# KiCad board IMXDesign.kicad_pcb (continued)
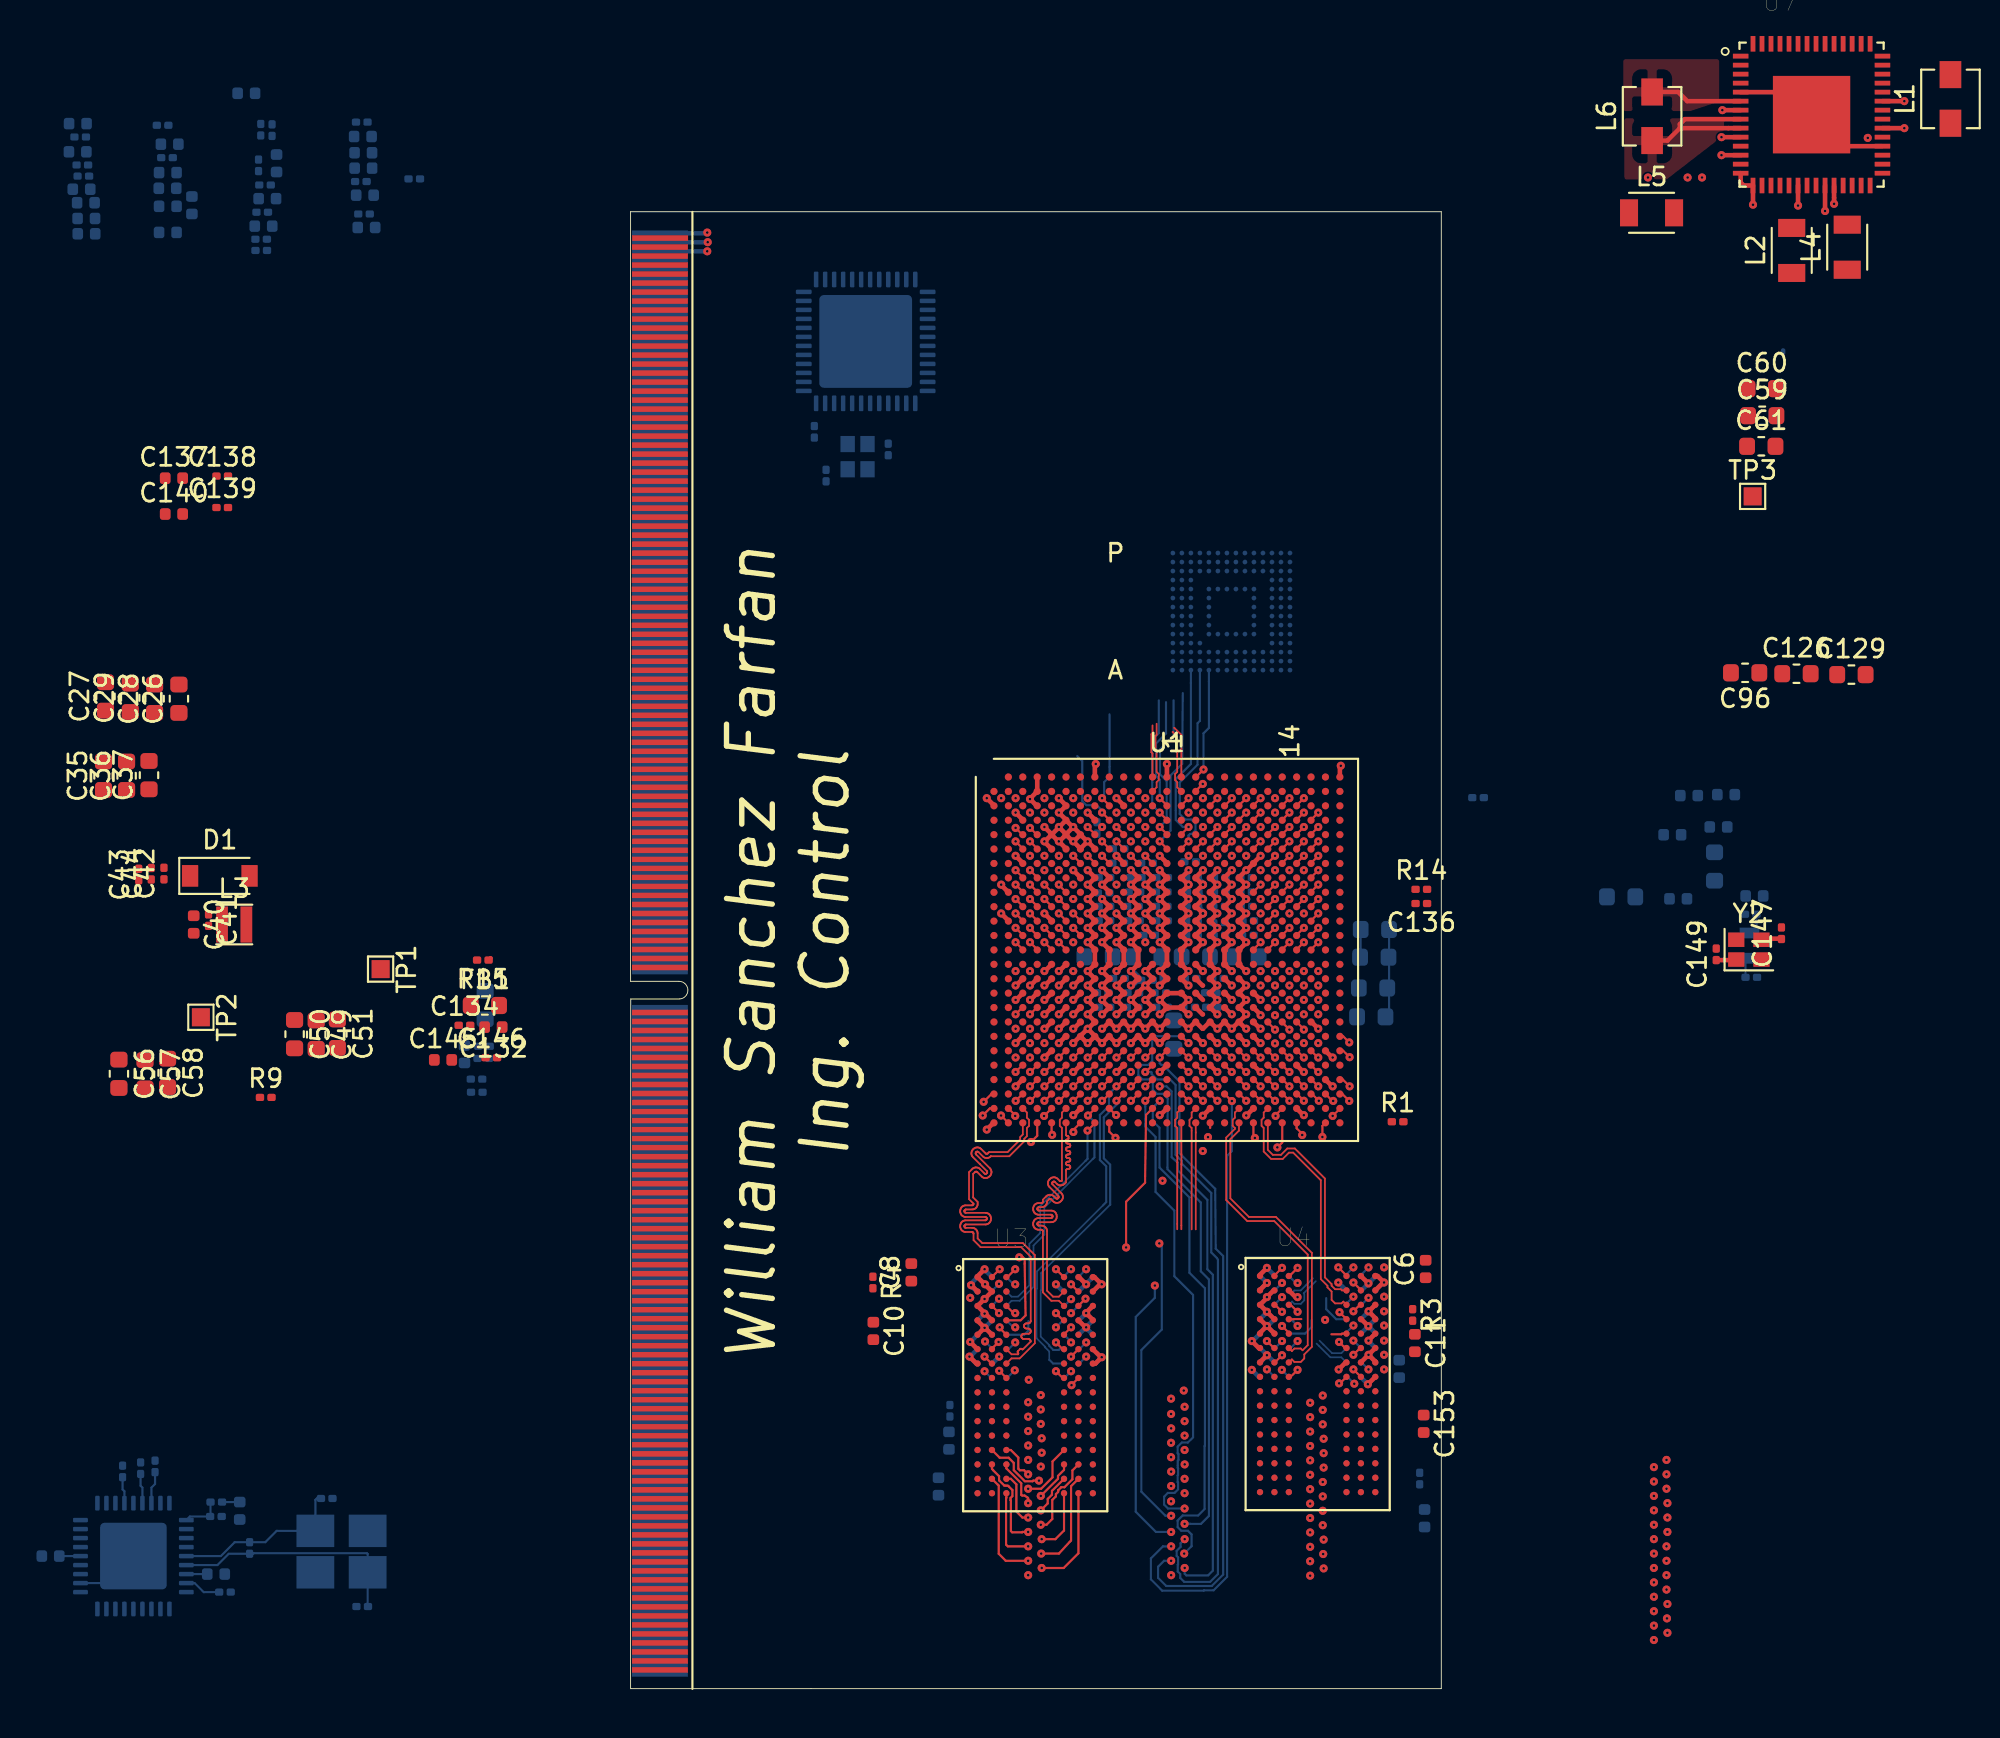
[diagram p0: board, top side]
## Routing (per net, layer and track width the routed paths; a pad name or vN(x,y) marks a point on that pad's centre or on a via; arc(x,y) is an arc through that point) (continued)
  In1.Cu w0.119: 34.96,30.96 34.71,30.96 ; v1(34.97,32.64) 34.97,32.32
/DDR3_Memory/CPU_DDR3/DRAM_D40: length 22.9
  Top w0.119: 39.72,20.51 U4.D7 39.74,20.51 v1(39.35,20.9) ; v1(34.97,35.04) 34.94,35.04 U1.Y19
  In2.Cu w0.114: v1(39.35,20.9) 38.12,20.9 37.55,21.47 37.55,23.4 37.21,23.75 36.74,23.75 36.54,23.55 36.54,23.18 36.34,22.98 35.97,22.98 35.7,23.25 35.7,24.02 35.55,24.18 35.55,26.82 34.86,27.51 34.84,27.53 34.82,27.54 34.8,27.54 34.77,27.54 34.75,27.54 34.73,27.53 34.69,27.5 34.67,27.49 34.64,27.48 34.62,27.48 34.59,27.49 34.57,27.5 34.55,27.51 34.42,27.64 34.41,27.66 34.4,27.68 34.39,27.71 34.39,27.73 34.4,27.75 34.41,27.78 34.44,27.81 34.45,27.84 34.46,27.86 34.46,27.88 34.45,27.91 34.44,27.93 34.42,27.95 34.42,29.12 34.25,29.3 34.25,30.82 35.69,32.26 35.95,32.26 36.15,32.46 36.15,35.22 35.95,35.42 35.59,35.42 35.2,35.04 v1(34.97,35.04)
/DDR3_Memory/CPU_DDR3/DRAM_D41: length 23.6
  Top w0.119: U4.A3 36.57,22.91 v1(37.02,23.36) ; U1.AB20 35.75,33.44 v1(35.77,33.44)
  In2.Cu w0.114: 36.96,23.36 v1(37.02,23.36) 36.8,23.14 36.8,22.85 36.54,22.59 36.54,22.34 36.34,22.14 35.97,22.14 35.7,22.42 35.7,22.71 35.43,22.98 35.14,22.98 34.85,23.27 34.85,23.68 35.12,23.95 35.13,23.97 35.13,23.99 35.15,24.01 35.16,24.03 35.18,24.04 35.2,24.05 35.25,24.05 35.27,24.06 35.29,24.07 35.3,24.09 35.31,24.11 35.32,24.13 35.32,24.15 35.32,24.18 35.32,24.2 35.31,24.22 35.3,24.24 35.29,24.26 35.27,24.27 35.25,24.28 35.22,24.28 35.12,24.28 34.94,24.28 34.92,24.28 34.89,24.29 34.87,24.3 34.85,24.32 34.84,24.34 34.83,24.37 34.83,24.39 34.83,24.42 34.84,24.44 34.85,24.46 34.87,24.48 34.89,24.5 34.92,24.5 34.94,24.51 35.22,24.51 35.25,24.51 35.27,24.52 35.29,24.53 35.3,24.54 35.31,24.56 35.32,24.58 35.32,24.61 35.32,24.64 35.32,24.66 35.31,24.68 35.3,24.7 35.29,24.71 35.27,24.73 35.25,24.73 35.22,24.74 34.94,24.74 34.92,24.74 34.89,24.75 34.87,24.76 34.85,24.78 34.84,24.8 34.83,24.82 34.83,24.85 34.83,24.88 34.84,24.9 34.85,24.92 34.87,24.94 34.89,24.95 34.92,24.96 34.94,24.96 35.22,24.96 35.25,24.97 35.27,24.97 35.29,24.99 35.3,25 35.31,25.02 35.32,25.04 35.32,25.06 35.32,25.09 35.32,25.12 35.31,25.14 35.3,25.16 35.29,25.17 35.27,25.18 35.25,25.19 35.22,25.19 34.94,25.19 34.92,25.2 34.89,25.2 34.87,25.22 34.85,25.24 34.84,25.26 34.83,25.28 34.83,25.31 34.83,25.33 34.84,25.36 34.85,25.38 34.87,25.4 34.89,25.41 34.92,25.42 34.94,25.42 35.22,25.42 35.25,25.42 35.27,25.43 35.29,25.44 35.3,25.46 35.31,25.48 35.32,25.5 35.32,25.52 35.32,25.55 35.32,25.57 35.31,25.59 35.3,25.61 35.29,25.63 35.27,25.64 35.25,25.65 35.22,25.65 34.94,25.65 34.92,25.65 34.89,25.66 34.87,25.68 34.85,25.69 34.84,25.71 34.83,25.74 34.83,25.76 34.83,25.79 34.84,25.81 34.85,25.84 34.87,25.85 34.89,25.87 34.92,25.88 34.94,25.88 35.22,25.88 35.25,25.88 35.27,25.89 35.29,25.9 35.3,25.92 35.31,25.94 35.32,25.96 35.32,25.98 35.32,26.01 35.32,26.03 35.31,26.05 35.3,26.07 35.29,26.09 35.27,26.1 35.25,26.1 35.2,26.11 35.18,26.12 35.16,26.13 35.15,26.14 35.13,26.16 35.13,26.18 35.12,26.21 35.12,26.55 35.09,26.59 35.07,26.61 35.06,26.63 35.06,26.65 35.06,26.68 35.06,26.7 35.07,26.73 35.09,26.75 35.1,26.76 35.12,26.78 35.13,26.8 35.14,26.83 35.14,26.85 35.13,26.88 35.12,26.9 35.1,26.92 35.08,26.94 35.06,26.95 35.04,26.96 35.01,26.96 34.99,26.95 34.96,26.94 34.94,26.92 34.72,26.7 34.7,26.68 34.67,26.67 34.65,26.66 34.62,26.66 34.6,26.67 34.58,26.68 34.56,26.7 34.54,26.72 34.53,26.74 34.52,26.77 34.52,26.79 34.53,26.82 34.54,26.84 34.56,26.86 34.76,27.06 34.77,27.08 34.78,27.1 34.78,27.12 34.78,27.14 34.78,27.16 34.77,27.18 34.76,27.2 34.73,27.22 34.72,27.24 34.7,27.24 34.68,27.25 34.65,27.25 34.63,27.24 34.61,27.24 34.59,27.22 34.39,27.02 34.37,27 34.35,26.99 34.33,26.99 34.3,26.99 34.27,26.99 34.25,27 34.23,27.02 34.22,27.04 34.2,27.06 34.2,27.09 34.2,27.11 34.2,27.14 34.22,27.16 34.23,27.18 34.28,27.23 34.3,27.25 34.31,27.28 34.31,27.3 34.31,27.33 34.31,27.35 34.3,27.37 34.28,27.39 34.17,27.51 34.17,27.76 34.16,27.78 34.16,27.81 34.14,27.83 34.12,27.85 34.1,27.86 34.08,27.87 34.05,27.87 33.83,27.87 33.81,27.87 33.78,27.88 33.76,27.9 33.74,27.91 33.73,27.94 33.72,27.96 33.72,27.99 33.72,28.01 33.73,28.04 33.74,28.06 33.76,28.08 33.78,28.09 33.81,28.1 33.83,28.1 34.05,28.1 34.08,28.1 34.1,28.11 34.12,28.13 34.14,28.14 34.16,28.17 34.16,28.19 34.17,28.21 34.16,28.24 34.16,28.26 34.14,28.29 34.12,28.3 34.1,28.32 34.08,28.33 34.05,28.33 33.83,28.33 33.81,28.33 33.78,28.34 33.76,28.35 33.74,28.37 33.73,28.39 33.72,28.42 33.72,28.44 33.72,28.47 33.73,28.49 33.74,28.51 33.76,28.53 33.78,28.55 33.81,28.55 33.83,28.56 34.05,28.56 34.08,28.56 34.1,28.57 34.12,28.58 34.14,28.6 34.16,28.62 34.16,28.65 34.17,28.67 34.17,29.01 33.97,29.2 33.97,29.23 33.96,29.25 33.95,29.27 33.93,29.29 33.91,29.3 33.89,29.31 33.86,29.31 33.84,29.31 33.82,29.32 33.79,29.33 33.77,29.34 33.75,29.36 33.74,29.38 33.73,29.4 33.73,29.43 33.73,29.45 33.74,29.48 33.75,29.5 33.77,29.52 33.79,29.53 33.82,29.54 33.84,29.54 33.86,29.54 33.89,29.55 33.91,29.55 33.93,29.57 33.95,29.59 33.96,29.61 33.97,29.63 33.97,29.66 33.97,29.68 33.96,29.71 33.95,29.73 33.93,29.75 33.91,29.76 33.89,29.77 33.86,29.77 33.84,29.77 33.82,29.77 33.79,29.78 33.77,29.8 33.75,29.81 33.74,29.84 33.73,29.86 33.73,29.89 33.73,29.91 33.74,29.94 33.75,29.96 33.77,29.98 33.79,29.99 33.82,30 33.84,30 33.86,30 33.89,30 33.91,30.01 33.93,30.03 33.95,30.04 33.96,30.06 33.97,30.09 33.97,30.11 33.97,30.97 35.39,32.39 35.39,32.91 35.53,33.05 35.7,33.05 35.77,33.12 v1(35.77,33.44)
/DDR3_Memory/CPU_DDR3/DRAM_D42: length 22.9
  Top w0.119: v1(36.57,33.44) 36.19,33.81 U1.AB21 ; v1(40.12,22.55) 40.54,22.13 U4.B8
  In2.Cu w0.114: v1(36.57,33.44) 36.95,33.06 36.95,31.62 36.95,31.61 36.94,31.59 36.94,31.58 36.92,31.57 36.91,31.56 36.89,31.55 36.86,31.55 36.85,31.54 36.83,31.53 36.82,31.52 36.81,31.51 36.8,31.49 36.8,31.47 36.8,31.4 36.8,31.38 36.81,31.36 36.82,31.35 36.83,31.34 36.85,31.33 36.86,31.32 36.88,31.32 37.09,31.32 37.11,31.32 37.14,31.31 37.16,31.3 37.18,31.28 37.19,31.26 37.2,31.23 37.2,31.21 37.2,31.18 37.19,31.16 37.18,31.14 37.16,31.12 37.14,31.1 37.11,31.09 37.09,31.09 37.07,31.09 37.04,31.09 37.02,31.08 37,31.07 36.98,31.05 36.96,31.03 36.96,31 36.95,30.98 36.88,30.9 36.88,30.35 37.2,30.03 37.2,29.7 37.03,29.53 36.7,29.53 36.42,29.8 36.42,30.09 36.08,30.43 35.72,30.43 35.52,30.23 35.52,29.86 35.52,29.85 35.52,29.84 35.53,29.83 35.54,29.82 35.55,29.82 35.56,29.81 35.58,29.81 35.59,29.81 35.6,29.8 35.61,29.79 35.61,29.78 35.62,29.77 35.62,29.76 35.62,29.63 35.62,29.62 35.61,29.61 35.61,29.6 35.6,29.59 35.59,29.59 35.58,29.58 35.56,29.58 35.55,29.58 35.54,29.57 35.53,29.56 35.52,29.55 35.52,29.54 35.52,29.53 35.52,29.44 35.65,29.3 35.78,29.3 35.97,29.1 35.97,29.07 36.05,29 36.07,28.99 36.08,28.98 36.1,28.97 36.12,28.97 36.13,28.98 36.15,28.99 36.17,29.01 36.19,29.01 36.2,29.02 36.22,29.02 36.24,29.01 36.25,29.01 36.27,29 36.32,28.94 36.33,28.93 36.34,28.91 36.34,28.9 36.34,28.88 36.34,28.86 36.33,28.85 36.31,28.82 36.3,28.81 36.3,28.79 36.3,28.77 36.3,28.76 36.31,28.74 36.32,28.73 36.67,28.38 36.67,26.13 36.68,26.11 36.69,26.08 36.7,26.06 36.72,26.04 36.74,26.03 36.76,26.02 36.79,26.02 36.81,26.02 36.84,26.02 36.86,26.01 36.88,25.99 36.9,25.97 36.91,25.95 36.92,25.93 36.92,25.9 36.92,25.88 36.91,25.85 36.9,25.83 36.88,25.81 36.86,25.8 36.84,25.79 36.81,25.79 36.79,25.79 36.76,25.79 36.74,25.78 36.72,25.76 36.7,25.75 36.69,25.72 36.68,25.7 36.67,25.68 36.67,25.47 36.82,25.33 36.82,25.32 36.83,25.31 36.83,25.3 36.83,25.29 36.83,25.28 36.82,25.27 36.81,25.25 36.8,25.24 36.8,25.23 36.8,25.22 36.8,25.21 36.81,25.2 36.82,25.19 36.91,25.1 36.92,25.09 36.93,25.09 36.94,25.09 36.95,25.09 36.96,25.09 36.97,25.09 36.98,25.1 37.21,25.34 37.23,25.35 37.26,25.37 37.28,25.37 37.31,25.37 37.33,25.37 37.36,25.35 37.38,25.34 37.39,25.32 37.4,25.29 37.41,25.27 37.41,25.24 37.4,25.22 37.39,25.2 37.38,25.18 37.14,24.94 37.13,24.93 37.13,24.92 37.13,24.91 37.13,24.9 37.13,24.89 37.13,24.88 37.14,24.87 37.23,24.78 37.24,24.77 37.25,24.77 37.26,24.76 37.27,24.76 37.28,24.77 37.29,24.77 37.31,24.78 37.32,24.79 37.33,24.79 37.34,24.79 37.35,24.79 37.36,24.78 37.37,24.78 37.46,24.69 37.47,24.68 37.47,24.67 37.48,24.66 37.48,24.65 37.47,24.64 37.47,24.63 37.46,24.61 37.45,24.6 37.45,24.59 37.45,24.58 37.45,24.56 37.46,24.55 37.46,24.55 37.55,24.45 37.56,24.45 37.57,24.44 37.58,24.44 37.59,24.44 37.61,24.44 37.62,24.45 37.63,24.46 37.64,24.47 37.65,24.47 37.67,24.47 37.68,24.47 37.69,24.46 37.7,24.45 37.7,24.45 37.71,24.44 37.71,24.42 37.71,24.41 37.71,24.4 37.7,24.39 37.69,24.38 37.68,24.37 37.68,24.35 37.68,24.34 37.68,24.33 37.69,24.32 37.7,24.31 37.79,24.22 37.79,24.22 37.81,24.21 37.82,24.21 37.83,24.21 37.84,24.21 37.85,24.22 37.86,24.22 37.93,24.29 37.94,24.3 37.95,24.3 37.96,24.31 37.97,24.31 37.98,24.3 37.99,24.3 38,24.29 38.09,24.2 38.1,24.19 38.1,24.18 38.1,24.17 38.1,24.16 38.1,24.15 38.1,24.14 38.08,24.12 38.08,24.11 38.07,24.1 38.07,24.09 38.08,24.08 38.08,24.07 38.09,24.06 38.11,24.06 38.11,23.43 38.12,23.4 38.13,23.38 38.14,23.35 38.16,23.34 38.18,23.32 38.2,23.31 38.23,23.31 38.35,23.31 38.37,23.31 38.4,23.3 38.42,23.29 38.44,23.27 38.45,23.25 38.46,23.22 38.46,23.2 38.46,23.17 38.45,23.15 38.44,23.13 38.42,23.11 38.4,23.09 38.37,23.09 38.35,23.08 38.23,23.08 38.2,23.08 38.18,23.07 38.16,23.06 38.14,23.04 38.13,23.02 38.12,22.99 38.11,22.97 38.12,22.94 38.13,22.92 38.14,22.9 38.16,22.88 38.18,22.86 38.2,22.86 38.23,22.85 38.35,22.85 38.37,22.85 38.4,22.84 38.42,22.83 38.44,22.81 38.45,22.79 38.46,22.76 38.46,22.74 38.46,22.71 38.45,22.69 38.44,22.67 38.42,22.65 38.4,22.64 38.37,22.63 38.35,22.62 38.23,22.62 38.2,22.62 38.18,22.61 38.16,22.6 38.14,22.58 38.13,22.56 38.12,22.54 38.11,22.51 38.11,22.16 38.58,21.7 39,21.7 39.66,22.37 39.66,22.46 39.75,22.55 39.8,22.55 v1(40.12,22.55)
/DDR3_Memory/CPU_DDR3/DRAM_D43: length 23.5
  Top w0.114: U4.A2 35.74,22.94 v1(36.16,23.36)
  Top w0.119: U1.AD21 35.81,31.86
  In2.Cu w0.114: v1(35.8,31.8) 35.9,31.8 35.97,31.88 36.2,31.88 36.33,31.75 36.33,31.28 36.22,31.18 35.85,31.17 34.78,30.1 34.78,29.8 34.78,29.78 34.79,29.75 34.8,29.73 34.82,29.71 34.84,29.7 34.86,29.69 34.89,29.69 34.91,29.69 34.93,29.69 34.96,29.68 34.98,29.66 35,29.65 35.01,29.62 35.02,29.6 35.02,29.58 35.02,29.55 35.01,29.53 35,29.5 34.98,29.49 34.96,29.47 34.93,29.46 34.91,29.46 34.68,29.46 34.65,29.46 34.63,29.45 34.61,29.44 34.6,29.42 34.59,29.4 34.58,29.38 34.58,29.36 34.58,29.33 34.58,29.31 34.59,29.29 34.6,29.27 34.61,29.25 34.63,29.24 34.65,29.23 34.68,29.23 35.06,29.23 35.08,29.23 35.11,29.22 35.13,29.21 35.15,29.19 35.16,29.17 35.17,29.14 35.17,29.12 35.17,29.09 35.16,29.07 35.15,29.05 35.13,29.03 35.11,29.02 35.08,29.01 35.06,29 34.72,29 34.71,29 34.7,29 34.69,28.99 34.69,28.98 34.68,28.98 34.68,28.96 34.67,28.95 34.67,28.83 34.68,28.81 34.68,28.8 34.69,28.79 34.69,28.79 34.7,28.78 34.71,28.78 34.72,28.78 35.51,28.78 35.53,28.77 35.56,28.76 35.58,28.75 35.6,28.73 35.61,28.71 35.62,28.69 35.62,28.66 35.62,28.64 35.61,28.61 35.6,28.59 35.58,28.57 35.56,28.56 35.53,28.55 35.51,28.55 34.72,28.55 34.71,28.55 34.7,28.54 34.69,28.54 34.69,28.53 34.68,28.52 34.68,28.51 34.67,28.5 34.67,28.37 34.68,28.36 34.68,28.35 34.69,28.34 34.69,28.33 34.7,28.32 34.71,28.32 34.72,28.32 35.26,28.32 35.28,28.32 35.31,28.31 35.33,28.29 35.35,28.27 35.36,28.25 35.37,28.23 35.37,28.2 35.37,28.18 35.36,28.15 35.35,28.13 35.33,28.11 35.31,28.1 35.28,28.09 35.26,28.09 34.89,28.09 34.85,28.05 34.85,27.9 35.15,27.6 35.17,27.58 35.2,27.57 35.22,27.56 35.25,27.56 35.27,27.57 35.3,27.58 35.32,27.6 35.86,28.14 35.88,28.16 35.9,28.17 35.93,28.17 35.95,28.17 35.98,28.17 36,28.16 36.02,28.14 36.04,28.12 36.05,28.1 36.05,28.07 36.05,28.05 36.05,28.02 36.04,28 36.02,27.98 35.48,27.43 35.46,27.41 35.45,27.39 35.44,27.37 35.44,27.34 35.45,27.32 35.46,27.29 35.48,27.27 35.5,27.26 35.52,27.25 35.54,27.24 35.57,27.24 35.6,27.25 35.62,27.26 35.64,27.27 35.97,27.61 35.99,27.62 36.01,27.63 36.04,27.64 36.06,27.64 36.09,27.63 36.11,27.62 36.13,27.61 36.15,27.59 36.16,27.56 36.16,27.54 36.16,27.51 36.16,27.49 36.15,27.46 36.13,27.44 35.8,27.11 35.78,27.09 35.77,27.07 35.77,27.04 35.77,27.02 35.77,26.99 35.78,26.97 35.8,26.95 35.8,26.59 35.8,26.56 35.81,26.54 35.82,26.51 35.84,26.5 35.86,26.48 35.89,26.47 35.91,26.47 36.03,26.47 36.06,26.47 36.08,26.46 36.1,26.45 36.12,26.43 36.14,26.41 36.15,26.38 36.15,26.36 36.15,26.33 36.14,26.31 36.12,26.29 36.1,26.27 36.08,26.25 36.06,26.25 36.03,26.24 35.91,26.24 35.89,26.24 35.86,26.23 35.84,26.22 35.82,26.2 35.81,26.18 35.8,26.15 35.8,26.13 35.8,26.1 35.81,26.08 35.82,26.06 35.84,26.04 35.86,26.03 35.89,26.02 35.91,26.01 36.03,26.01 36.06,26.01 36.08,26 36.1,25.99 36.12,25.97 36.14,25.95 36.15,25.93 36.15,25.9 36.15,25.87 36.14,25.85 36.12,25.83 36.1,25.81 36.08,25.8 36.06,25.79 36.03,25.79 35.91,25.79 35.89,25.78 35.86,25.77 35.84,25.76 35.82,25.74 35.81,25.72 35.8,25.7 35.8,25.67 35.8,25.65 35.81,25.62 35.82,25.6 35.84,25.58 35.86,25.57 35.89,25.56 35.91,25.56 36.03,25.56 36.06,25.55 36.08,25.55 36.1,25.53 36.12,25.51 36.14,25.49 36.15,25.47 36.15,25.44 36.15,25.42 36.14,25.39 36.12,25.37 36.1,25.35 36.08,25.34 36.06,25.33 36.03,25.33 35.91,25.33 35.89,25.33 35.86,25.32 35.84,25.3 35.82,25.29 35.81,25.26 35.8,25.24 35.8,25.21 35.8,25.19 35.81,25.16 35.82,25.14 35.84,25.13 35.86,25.11 35.89,25.1 35.91,25.1 36.23,25.1 36.26,25.1 36.28,25.09 36.3,25.08 36.32,25.06 36.34,25.04 36.35,25.01 36.35,24.99 36.35,24.96 36.34,24.94 36.32,24.91 36.3,24.9 36.28,24.88 36.26,24.87 36.23,24.87 35.91,24.87 35.89,24.87 35.86,24.86 35.84,24.85 35.82,24.83 35.81,24.81 35.8,24.78 35.8,24.76 35.8,24.73 35.81,24.71 35.82,24.69 35.84,24.67 35.86,24.65 35.89,24.65 35.91,24.64 36.68,24.64 36.71,24.64 36.73,24.63 36.75,24.62 36.77,24.6 36.79,24.58 36.8,24.55 36.8,24.53 36.8,24.5 36.79,24.48 36.77,24.46 36.75,24.44 36.73,24.43 36.71,24.42 36.68,24.41 35.91,24.41 35.89,24.41 35.86,24.4 35.84,24.39 35.82,24.37 35.81,24.35 35.8,24.33 35.8,24.23 35.9,24.12 36.35,24.12 36.42,24.05 36.42,23.78 36.16,23.51 v1(36.16,23.36)
/DDR3_Memory/CPU_DDR3/DRAM_D44: length 22.9
  Top w0.119: v1(35.77,35.04) 35.75,35.04 U1.Y20 ; U4.C2 35.77,21.31 v1(36.16,20.92)
  In2.Cu w0.114: v1(36.16,20.92) 35.93,20.92 35.5,21.36 35.14,21.36 34.35,22.15 34.35,22.15 33.65,22.85 33.65,23.57 33.65,23.6 33.66,23.62 33.67,23.65 33.69,23.66 33.71,23.68 33.74,23.69 33.76,23.69 33.87,23.69 33.9,23.69 33.92,23.7 33.95,23.71 33.96,23.73 33.98,23.75 33.99,23.78 33.99,23.8 33.99,23.83 33.98,23.85 33.96,23.87 33.95,23.89 33.92,23.91 33.9,23.92 33.87,23.92 33.43,23.92 33.4,23.92 33.38,23.93 33.35,23.94 33.34,23.96 33.32,23.98 33.31,24.01 33.31,24.03 33.31,24.06 33.32,24.08 33.34,24.1 33.35,24.12 33.38,24.14 33.4,24.14 33.43,24.15 33.87,24.15 33.9,24.15 33.92,24.16 33.95,24.17 33.96,24.19 33.98,24.21 33.99,24.24 33.99,24.26 33.99,24.29 33.98,24.31 33.96,24.33 33.95,24.35 33.92,24.36 33.9,24.37 33.87,24.38 33.43,24.38 33.4,24.38 33.38,24.39 33.35,24.4 33.34,24.42 33.32,24.44 33.31,24.46 33.31,24.49 33.31,24.51 33.32,24.54 33.34,24.56 33.35,24.58 33.38,24.59 33.4,24.6 33.43,24.6 33.87,24.6 33.9,24.61 33.92,24.62 33.95,24.63 33.96,24.65 33.98,24.67 33.99,24.69 33.99,24.72 33.99,24.74 33.98,24.77 33.96,24.79 33.95,24.81 33.92,24.82 33.9,24.83 33.87,24.83 33.43,24.83 33.4,24.84 33.38,24.84 33.35,24.86 33.34,24.88 33.32,24.9 33.31,24.92 33.31,24.95 33.31,24.97 33.32,25 33.34,25.02 33.35,25.04 33.38,25.05 33.4,25.06 33.43,25.06 33.87,25.06 33.9,25.06 33.92,25.07 33.95,25.09 33.96,25.1 33.98,25.13 33.99,25.15 33.99,25.18 33.99,25.2 33.98,25.22 33.96,25.25 33.95,25.26 33.92,25.28 33.9,25.29 33.87,25.29 33.43,25.29 33.4,25.29 33.38,25.3 33.35,25.31 33.34,25.33 33.32,25.35 33.31,25.38 33.31,25.4 33.31,25.43 33.32,25.45 33.34,25.48 33.35,25.49 33.38,25.51 33.4,25.52 33.43,25.52 33.54,25.52 33.56,25.52 33.59,25.53 33.61,25.54 33.63,25.56 33.64,25.58 33.65,25.61 33.65,25.63 33.65,26.3 33.12,26.85 33.12,31.07 33.28,31.2 33.28,31.79 33.76,32.28 33.76,32.79 33.99,33.02 34.32,33.02 34.55,33.26 34.55,33.59 34.79,33.83 35.12,33.83 35.35,34.06 35.35,34.62 v1(35.77,35.04)
/DDR3_Memory/CPU_DDR3/DRAM_D45: length 22.9
  Top w0.119: v1(35.77,34.24) 35.75,34.24 U1.AA20 ; v1(37.02,20.92) 36.63,21.31 U4.C3
  In2.Cu w0.114: v1(37.02,20.92) 36.64,21.31 35.95,21.31 35.7,21.55 35.7,21.92 35.48,22.14 35.14,22.14 34.6,22.68 34.6,23.07 34.6,23.1 34.59,23.12 34.58,23.15 34.56,23.16 34.54,23.18 34.51,23.19 34.49,23.19 34.03,23.19 34.01,23.19 33.98,23.2 33.96,23.21 33.94,23.23 33.93,23.25 33.92,23.28 33.92,23.3 33.92,23.33 33.93,23.35 33.94,23.37 33.96,23.39 33.98,23.41 34.01,23.42 34.03,23.42 34.49,23.42 34.51,23.42 34.54,23.43 34.56,23.44 34.58,23.46 34.59,23.48 34.6,23.51 34.6,23.53 34.6,23.56 34.59,23.58 34.58,23.6 34.56,23.62 34.54,23.64 34.51,23.64 34.49,23.65 34.33,23.65 34.31,23.65 34.28,23.66 34.26,23.67 34.24,23.69 34.23,23.71 34.22,23.74 34.22,23.76 34.22,23.79 34.23,23.81 34.24,23.83 34.26,23.85 34.28,23.86 34.31,23.87 34.33,23.88 34.69,23.88 34.71,23.88 34.73,23.88 34.75,23.89 34.76,23.91 34.77,23.93 34.78,23.95 34.78,23.97 34.78,24.01 34.78,24.03 34.77,24.05 34.76,24.07 34.75,24.08 34.73,24.09 34.71,24.1 34.69,24.1 34.33,24.1 34.31,24.11 34.28,24.12 34.26,24.13 34.24,24.15 34.23,24.17 34.22,24.19 34.22,24.22 34.22,24.24 34.23,24.27 34.24,24.29 34.26,24.31 34.28,24.32 34.31,24.33 34.33,24.33 34.49,24.33 34.51,24.34 34.54,24.34 34.56,24.36 34.58,24.38 34.59,24.4 34.6,24.42 34.6,24.45 34.6,24.47 34.59,24.5 34.58,24.52 34.56,24.54 34.54,24.55 34.51,24.56 34.49,24.56 34.33,24.56 34.31,24.56 34.28,24.57 34.26,24.59 34.24,24.6 34.23,24.63 34.22,24.65 34.22,24.68 34.22,24.7 34.23,24.72 34.24,24.75 34.26,24.76 34.28,24.78 34.31,24.79 34.33,24.79 34.49,24.79 34.51,24.79 34.54,24.8 34.56,24.81 34.58,24.83 34.59,24.85 34.6,24.88 34.6,24.9 34.6,24.93 34.59,24.95 34.58,24.98 34.56,24.99 34.54,25.01 34.51,25.02 34.49,25.02 34.33,25.02 34.31,25.02 34.28,25.03 34.26,25.04 34.24,25.06 34.23,25.08 34.22,25.11 34.22,25.13 34.22,25.16 34.23,25.18 34.24,25.2 34.26,25.22 34.28,25.24 34.31,25.24 34.33,25.25 34.49,25.25 34.51,25.25 34.54,25.26 34.56,25.27 34.58,25.29 34.59,25.31 34.6,25.34 34.6,25.36 34.6,25.39 34.59,25.41 34.58,25.43 34.56,25.45 34.54,25.46 34.51,25.47 34.49,25.48 34.08,25.48 34.06,25.48 34.03,25.49 34.01,25.5 33.99,25.52 33.98,25.54 33.97,25.56 33.97,25.59 33.97,25.62 33.98,25.64 33.99,25.66 34.01,25.68 34.03,25.69 34.06,25.7 34.08,25.7 34.49,25.7 34.51,25.71 34.54,25.72 34.56,25.73 34.58,25.75 34.59,25.77 34.6,25.79 34.6,25.82 34.6,26.3 33.47,27.43 33.47,30.87 33.7,31.1 33.7,31.92 33.99,32.21 34.3,32.21 34.55,32.46 34.55,32.79 34.79,33.02 35.15,33.02 35.35,33.22 35.35,33.6 35.6,33.85 35.7,33.85 35.77,33.92 v1(35.77,34.24)
/DDR3_Memory/CPU_DDR3/DRAM_D46: length 22.8
  Top w0.114: U4.A7 39.74,22.93 v1(39.28,23.39)
  Top w0.119: U1.AE21 36.17,30.32 v1(35.9,30.05)
  In2.Cu w0.114: v1(35.9,30.05) 35.9,29.73 36.39,29.24 36.39,29.23 36.58,29.04 36.59,29.03 36.6,29.01 36.61,29 36.61,28.98 36.6,28.96 36.59,28.95 36.57,28.92 36.57,28.91 36.56,28.89 36.56,28.87 36.57,28.86 36.57,28.84 36.58,28.83 36.64,28.77 36.65,28.76 36.67,28.76 36.68,28.75 36.7,28.75 36.72,28.76 36.73,28.76 36.75,28.77 37.39,29.42 37.41,29.43 37.43,29.44 37.46,29.45 37.48,29.45 37.51,29.44 37.53,29.43 37.55,29.42 37.57,29.4 37.58,29.37 37.58,29.35 37.58,29.32 37.58,29.3 37.57,29.28 37.55,29.26 36.89,28.59 36.88,28.58 36.87,28.56 36.86,28.53 36.86,28.51 36.87,28.49 36.88,28.47 36.89,28.45 36.91,28.43 36.93,28.42 36.95,28.41 36.97,28.4 36.99,28.4 37.01,28.41 37.03,28.42 37.05,28.43 37.39,28.78 37.41,28.79 37.44,28.8 37.46,28.81 37.49,28.81 37.51,28.8 37.54,28.79 37.56,28.78 37.57,28.76 37.58,28.73 37.59,28.71 37.59,28.68 37.58,28.66 37.57,28.63 37.56,28.61 37.36,28.42 37.35,28.4 37.34,28.38 37.33,28.35 37.33,28.33 37.34,28.3 37.35,28.28 37.36,28.26 37.4,28.22 37.4,27.91 37.4,27.88 37.39,27.86 37.38,27.84 37.36,27.82 37.34,27.8 37.31,27.8 37.29,27.79 37.01,27.79 36.99,27.79 36.96,27.78 36.94,27.77 36.92,27.75 36.91,27.73 36.9,27.7 36.9,27.68 36.9,27.65 36.91,27.63 36.92,27.61 36.94,27.59 36.96,27.58 36.99,27.57 37.01,27.56 37.47,27.56 37.49,27.56 37.51,27.56 37.52,27.55 37.53,27.54 37.54,27.52 37.55,27.51 37.55,27.49 37.55,27.41 37.55,27.39 37.54,27.38 37.53,27.36 37.52,27.35 37.51,27.34 37.49,27.34 37.47,27.34 37.01,27.34 36.99,27.33 36.96,27.32 36.94,27.31 36.92,27.29 36.91,27.27 36.9,27.25 36.9,27.22 36.9,27.2 36.91,27.17 36.92,27.15 36.94,27.13 36.96,27.12 36.99,27.11 37.01,27.11 37.47,27.11 37.49,27.11 37.51,27.1 37.52,27.09 37.53,27.08 37.54,27.06 37.55,27.05 37.55,27.03 37.55,26.95 37.55,26.94 37.54,26.92 37.53,26.91 37.52,26.9 37.51,26.89 37.49,26.88 37.47,26.88 37.01,26.88 36.99,26.88 36.96,26.87 36.94,26.85 36.92,26.84 36.91,26.81 36.9,26.79 36.9,26.76 36.9,26.74 36.91,26.71 36.92,26.69 36.94,26.68 36.96,26.66 36.99,26.65 37.01,26.65 37.54,26.65 37.56,26.65 37.59,26.64 37.61,26.63 37.63,26.61 37.64,26.59 37.65,26.56 37.65,26.54 37.65,26.51 37.64,26.49 37.63,26.46 37.61,26.45 37.59,26.43 37.56,26.42 37.54,26.42 37.01,26.42 36.99,26.42 36.96,26.41 36.94,26.4 36.92,26.38 36.91,26.36 36.9,26.33 36.9,26.31 36.9,26.28 36.91,26.26 36.92,26.24 36.94,26.22 36.96,26.2 36.99,26.2 37.01,26.19 37.54,26.19 37.56,26.19 37.59,26.18 37.61,26.17 37.63,26.15 37.64,26.13 37.65,26.1 37.65,26.08 37.65,26.05 37.64,26.03 37.63,26.01 37.61,25.99 37.59,25.98 37.56,25.97 37.54,25.96 37.51,25.96 37.49,25.96 37.46,25.95 37.44,25.94 37.42,25.92 37.41,25.9 37.4,25.88 37.4,25.85 37.4,25.65 37.55,25.5 37.57,25.49 37.59,25.48 37.61,25.47 37.63,25.47 37.65,25.48 37.67,25.49 37.71,25.51 37.73,25.52 37.75,25.53 37.77,25.53 37.8,25.52 37.82,25.51 37.83,25.5 37.85,25.48 37.87,25.46 37.88,25.44 37.88,25.42 37.88,25.4 37.88,25.38 37.87,25.36 37.85,25.34 37.58,25.07 37.56,25.05 37.55,25.02 37.55,25 37.55,24.97 37.55,24.95 37.56,24.92 37.58,24.9 37.6,24.89 37.62,24.88 37.65,24.87 37.67,24.87 37.7,24.88 37.72,24.89 37.74,24.9 38.02,25.18 38.03,25.19 38.05,25.2 38.07,25.21 38.1,25.21 38.12,25.2 38.14,25.19 38.16,25.18 38.18,25.16 38.19,25.14 38.2,25.12 38.21,25.1 38.21,25.07 38.2,25.05 38.19,25.03 38.18,25.01 37.9,24.74 37.89,24.72 37.88,24.7 37.87,24.67 37.87,24.65 37.88,24.62 37.89,24.6 37.9,24.58 37.92,24.56 37.95,24.55 37.97,24.55 38,24.55 38.02,24.55 38.05,24.56 38.07,24.58 38.34,24.85 38.36,24.87 38.38,24.88 38.4,24.88 38.42,24.88 38.44,24.88 38.46,24.87 38.48,24.85 38.5,24.83 38.51,24.82 38.52,24.8 38.53,24.77 38.53,24.75 38.52,24.73 38.51,24.71 38.49,24.67 38.48,24.65 38.47,24.63 38.47,24.61 38.48,24.59 38.49,24.57 38.5,24.55 38.7,24.35 38.7,22.25 38.75,22.2 38.85,22.2 38.9,22.25 38.9,23.01 v1(39.28,23.39)
/DDR3_Memory/CPU_DDR3/DRAM_D47: length 22.9
  Top w0.119: v1(40.12,20.95) 40.48,21.31 U4.C8 ; v1(36.57,32.64) 36.19,33.01 U1.AC21
  In2.Cu w0.114: v1(36.57,32.64) 36.38,32.44 36.38,32.1 36.57,31.91 36.57,31.08 36.64,31.01 36.64,30.54 36.53,30.43 36.39,30.43 36.17,30.65 35.63,30.65 35.3,30.32 35.3,29.35 36.38,28.27 36.38,25.31 36.83,24.88 37.22,24.48 37.23,24.46 37.25,24.44 37.25,24.41 37.25,24.39 37.25,24.36 37.23,24.34 37.22,24.32 37.06,24.17 37.05,24.15 37.04,24.12 37.03,24.1 37.03,24.07 37.04,24.05 37.05,24.02 37.06,24 37.08,23.99 37.11,23.98 37.13,23.97 37.16,23.97 37.18,23.98 37.21,23.99 37.23,24 37.38,24.16 37.4,24.17 37.42,24.19 37.45,24.19 37.47,24.19 37.5,24.19 37.52,24.17 37.54,24.16 37.56,24.14 37.57,24.12 37.57,24.09 37.57,24.07 37.57,24.04 37.56,24.02 37.54,24 37.49,23.95 37.48,23.93 37.47,23.91 37.46,23.88 37.46,23.85 37.47,23.83 37.48,23.81 37.49,23.79 37.51,23.77 37.54,23.76 37.56,23.75 37.59,23.75 37.61,23.76 37.63,23.77 37.65,23.79 37.7,23.84 37.72,23.85 37.75,23.86 37.77,23.87 37.8,23.87 37.82,23.86 37.84,23.85 37.86,23.84 37.9,23.8 37.9,23.36 37.9,23.35 37.9,23.34 37.89,23.33 37.88,23.33 37.87,23.32 37.86,23.32 37.84,23.31 37.83,23.31 37.82,23.3 37.81,23.3 37.8,23.29 37.8,23.28 37.8,23.26 37.8,23.14 37.8,23.12 37.8,23.11 37.81,23.1 37.82,23.1 37.83,23.09 37.84,23.09 37.86,23.08 37.87,23.08 37.88,23.07 37.89,23.07 37.9,23.06 37.9,23.05 37.9,23.04 37.9,22.91 37.9,22.9 37.9,22.89 37.89,22.88 37.88,22.87 37.87,22.86 37.86,22.86 37.84,22.86 37.83,22.85 37.82,22.85 37.81,22.84 37.8,22.83 37.8,22.82 37.8,22.81 37.8,22.68 37.8,22.67 37.8,22.66 37.81,22.65 37.82,22.64 37.83,22.63 37.84,22.63 37.86,22.63 37.87,22.62 37.88,22.62 37.89,22.61 37.9,22.6 37.9,22.59 37.9,22.58 37.9,22.45 37.9,22.44 37.9,22.43 37.89,22.42 37.88,22.41 37.87,22.41 37.86,22.4 37.84,22.4 37.83,22.4 37.82,22.39 37.81,22.38 37.8,22.37 37.8,22.36 37.8,22.35 37.8,22.22 37.8,22.21 37.8,22.2 37.81,22.19 37.82,22.18 37.83,22.18 37.84,22.17 37.86,22.17 37.87,22.17 37.88,22.16 37.89,22.15 37.9,22.14 37.9,22.13 37.9,22.12 37.9,22.11 37.9,22.1 37.89,22.09 37.88,22.08 37.87,22.08 37.86,22.07 37.84,22.07 37.83,22.07 37.82,22.06 37.81,22.05 37.8,22.04 37.8,22.03 37.8,22.02 37.8,21.89 37.8,21.88 37.8,21.87 37.81,21.86 37.82,21.85 37.83,21.85 37.84,21.84 37.85,21.84 38.03,21.84 38.06,21.84 38.08,21.83 38.1,21.82 38.12,21.8 38.14,21.78 38.14,21.75 38.15,21.73 38.14,21.7 38.14,21.68 38.12,21.66 38.1,21.64 38.08,21.63 38.06,21.62 38.03,21.61 37.92,21.6 37.88,21.55 37.88,21.47 37.99,21.34 38.15,21.18 38.47,21.18 38.49,21.18 38.52,21.19 38.54,21.2 38.56,21.22 38.57,21.24 38.58,21.26 38.58,21.29 38.58,21.36 38.58,21.38 38.59,21.41 38.61,21.43 38.63,21.45 38.65,21.46 38.67,21.47 38.7,21.47 38.72,21.47 38.75,21.46 38.77,21.45 38.79,21.43 38.8,21.41 38.81,21.38 38.81,21.36 38.81,21.29 38.81,21.26 38.82,21.24 38.84,21.22 38.85,21.2 38.88,21.19 38.9,21.18 39.02,21.18 39.03,21.18 39.17,21.32 39.49,21.32 39.73,21.08 39.73,20.72 39.53,20.52 39.09,20.52 38.93,20.35 38.92,20.12 39.1,19.95 39.5,19.95 39.65,20.1 39.65,20.26 40.12,20.73 v1(40.12,20.95)
